# Allegro board TDI_KU5P_QSFP28_CXP_V001-20240805_1841.brd (continued)
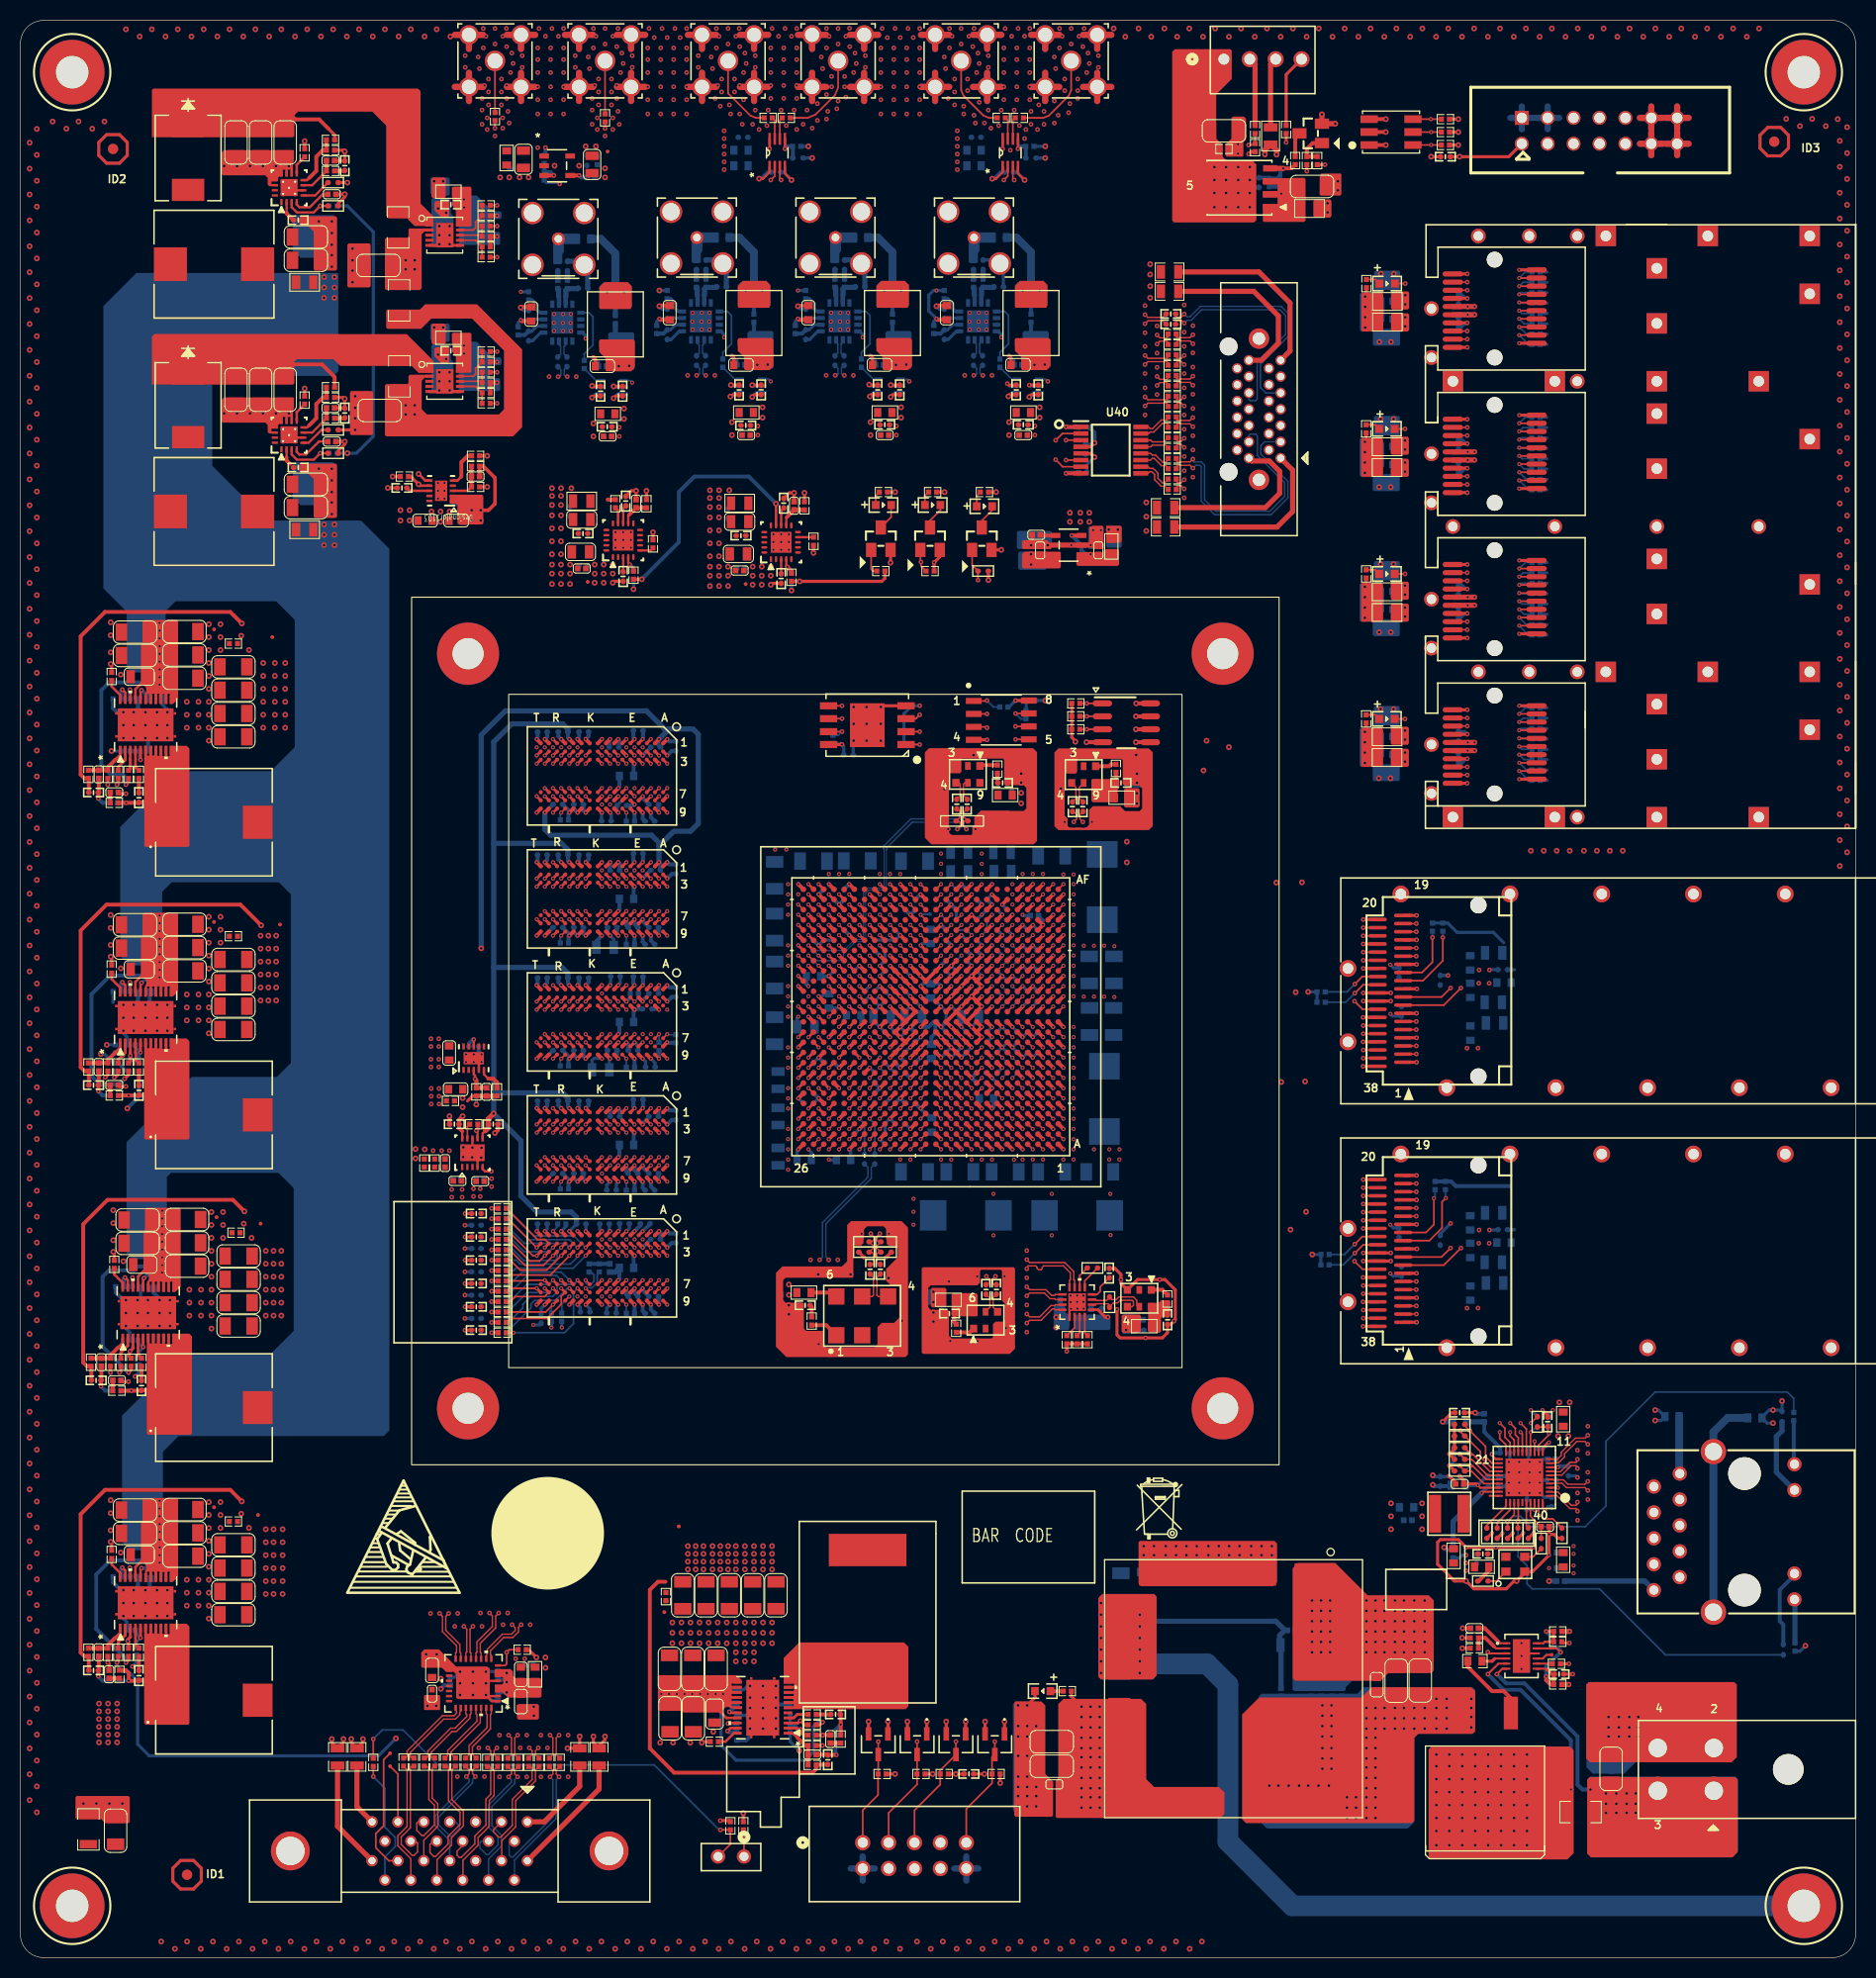
[diagram p0: board, top side]
## Copper pours and planes (outline as drawn; the poured copper is in the pictures) (continued)
(no net) on TOP: 134.53,132.79 136.06,132.79 136.18,132.66 136.18,131.14 136.06,131.01 134.53,131.01 134.41,131.14 134.41,132.66
(no net) on TOP: 105.1,138.28 105.22,138.15 106.11,138.15 106.24,138.28 106.24,140.31 106.11,140.44 104.97,140.44 104.84,140.31 104.84,138.91 104.71,138.79 100.9,138.79 100.65,139.04 98.36,139.04 98.24,138.91 98.24,138.28 98.36,138.15 101.03,138.15 101.16,138.28
(no net) on BOTTOM: 132.76,117.04 135.17,117.04 135.3,116.92 135.3,115.52 135.17,115.39 132.76,115.39 132.63,115.52 132.63,116.92
(no net) on BOTTOM: 97.86,138.15 101.03,138.15 101.16,138.28 101.16,139.8 101.03,139.93 97.86,139.93 97.73,139.8 97.73,138.28
(no net) on BOTTOM: 131.49,149.05 131.87,149.05 132.25,148.67 133.64,148.67 133.77,148.54 133.77,146.25 133.64,146.13 132.76,146.13 131.87,145.24 131.49,145.24 131.36,145.36 131.36,148.92
(no net) on BOTTOM: 132.76,131.27 135.17,131.27 135.3,131.14 135.3,129.74 135.17,129.62 132.76,129.62 132.63,129.74 132.63,131.14
(no net) on BOTTOM: 131.49,134.82 131.87,134.82 132.25,134.44 133.64,134.44 133.77,134.32 133.77,132.03 133.64,131.9 132.76,131.9 131.87,131.01 131.49,131.01 131.36,131.14 131.36,134.7
(no net) on BOTTOM: 132.78,159.74 135.19,159.74 135.32,159.61 135.32,158.22 135.19,158.09 132.78,158.09 132.65,158.22 132.65,159.61
(no net) on BOTTOM: 131.51,163.3 131.89,163.3 132.27,162.92 133.67,162.92 133.8,162.79 133.8,160.5 133.67,160.38 132.78,160.38 131.89,159.49 131.51,159.49 131.38,159.61 131.38,163.17
(no net) on BOTTOM: 97.98,137.9 100.52,137.9 100.65,137.77 100.65,136.25 100.52,136.12 97.98,136.12 97.86,136.25 97.86,137.77
(no net) on BOTTOM: 132.88,134.82 133.39,134.82 133.64,135.08 135.17,135.08 135.3,135.2 135.3,136.86 135.17,136.98 132.88,136.98 132.76,136.86 132.76,134.95
(no net) on BOTTOM: 106.62,140.44 107.89,140.44 108.02,140.31 108.02,138.4 107.89,138.28 106.62,138.28 106.49,138.4 106.49,140.31
(no net) on BOTTOM: 88.53,65.56 90.57,65.56 90.69,65.43 90.69,64.16 90.57,64.03 88.53,64.03 88.41,64.16 88.41,65.43
(no net) on BOTTOM: 110.63,114.76 108.47,114.76 108.35,114.88 108.35,116.66 108.47,116.79 110.63,116.79 110.76,116.66 110.76,114.88
(no net) on BOTTOM: 131.49,120.6 131.87,120.6 132.25,120.22 133.64,120.22 133.77,120.09 133.77,117.81 133.64,117.68 132.76,117.68 131.87,116.79 131.49,116.79 131.36,116.92 131.36,120.47
(no net) on BOTTOM: 132.91,163.3 133.42,163.3 133.67,163.55 135.19,163.55 135.32,163.68 135.32,165.33 135.19,165.46 132.91,165.46 132.78,165.33 132.78,163.42
(no net) on BOTTOM: 132.76,145.49 135.17,145.49 135.3,145.36 135.3,143.97 135.17,143.84 132.76,143.84 132.63,143.97 132.63,145.36
(no net) on BOTTOM: 132.88,120.6 133.39,120.6 133.64,120.85 135.17,120.85 135.3,120.98 135.3,122.63 135.17,122.76 132.88,122.76 132.76,122.63 132.76,120.73
(no net) on BOTTOM: 132.88,149.05 133.39,149.05 133.64,149.3 135.17,149.3 135.3,149.43 135.3,151.08 135.17,151.21 132.88,151.21 132.76,151.08 132.76,149.17
(no net) on BOTTOM: 106.24,138.4 105.98,138.15 104.84,138.15 104.71,138.28 104.71,140.23 104.82,140.33 106.11,140.33 106.24,140.21
CHA_1V25_CXP1 on TOP: 69.4,152.06 69.59,152.25 70.93,152.25 71.05,152.12 71.05,149.88 71.05,149.87 71.05,149.01 70.98,148.95 69.61,148.95 69.4,149.15
CHA_1V25_CXP1 on ART03: 61.57,163.66 63.6,163.66 64.23,163.03 64.23,159.98 64.99,159.22 68.8,159.22 70.2,157.82 70.2,148.93 69.95,148.68 61.95,148.68 61.31,149.31 61.31,163.41
CHA_1V25_CXP2 on TOP: 55.81,151.93 56,152.12 57.34,152.12 57.46,151.99 57.46,149.75 57.46,149.74 57.46,148.88 57.39,148.82 56.02,148.82 55.81,149.03
CHA_1V25_CXP2 on ART03: 48,163.56 50.03,163.56 50.67,162.93 50.67,159.88 51.43,159.12 55.24,159.12 56.64,157.72 56.64,148.83 56.38,148.57 48.38,148.57 47.75,149.21 47.75,163.31
CHA_1V25_CXP3 on TOP: 82.99,152.06 83.18,152.25 84.51,152.25 84.64,152.12 84.64,149.88 84.64,149.87 84.64,149.01 84.57,148.95 83.2,148.95 82.99,149.15
CHA_1V25_CXP3 on ART03: 75.25,163.68 77.28,163.68 77.92,163.04 77.92,159.99 78.68,159.23 82.49,159.23 83.89,157.84 83.89,148.95 83.63,148.69 75.63,148.69 75,149.33 75,163.42
CHA_1V25_CXP4 on TOP: 96.58,152.06 96.77,152.25 98.1,152.25 98.23,152.12 98.23,149.88 98.23,149.87 98.23,149.01 98.16,148.95 96.79,148.95 96.58,149.15
CHA_1V25_CXP4 on ART03: 88.84,163.68 90.87,163.68 91.51,163.04 91.51,159.99 92.27,159.23 96.08,159.23 97.48,157.84 97.48,148.95 97.22,148.69 89.22,148.69 88.59,149.33 88.59,163.42
CHA_12V_FAN on TOP (solid shape): 118.81,187.05 118.81,184.25 117.29,182.73 117.29,178.41 117.92,177.77 117.92,176.63 118.3,176.25 120.84,176.25 121.22,175.87 121.22,170.41 121,170.18 113.15,170.18 112.97,170.36 112.97,186.92 113.22,187.17 118.68,187.17
CHA_12V_FAN on BOTTOM: 116.65,176 120.84,176 120.97,175.87 120.97,171.3 120.84,171.17 116.65,171.17 116.53,171.3 116.53,175.87
CHA_24V_1 on TOP (solid shape): 39.25,183.07 39.25,172.5 39.26,172.49 39.26,172.03 40.5,170.79 40.5,169.9 40.43,169.82 38.67,169.82 37.91,170.59 36.08,170.59 35.88,170.79 35.88,179.68 34.51,181.05 27.22,181.05 26.86,180.7 26.86,178.66 26.74,178.54 12.89,178.54 12.89,183.16 13.05,183.31 39,183.31
CHA_24V_2 on TOP (solid shape): 40.53,156.59 40.53,155.5 40.45,155.42 39.06,155.42 38.37,156.11 31.36,156.11 30.7,156.77 27.09,156.77 26.86,156.54 26.86,154.41 26.74,154.28 12.89,154.28 12.89,158.98 13.15,159.23 37.89,159.23
CHA_CXP_1V25 on TOP (solid shape): 45.41,143.36 45.41,140.69 45.28,140.56 42.99,140.56 42.87,140.69 42.87,142.47 42.74,142.6 42.15,142.6 42.1,142.65 42.1,143.41 42.18,143.48 45.28,143.48
CHA_CXP_1V25 on TOP: 57.93,150.83 57.93,152.18 58.06,152.31 59.46,152.31 59.58,152.18 59.58,150.78 59.46,150.66 58.11,150.66
CHA_CXP_1V25 on TOP: 85.11,150.96 85.11,152.31 85.24,152.43 86.63,152.43 86.76,152.31 86.76,150.91 86.63,150.78 85.29,150.78
CHA_CXP_1V25 on TOP: 71.52,150.96 71.52,152.31 71.65,152.43 73.04,152.43 73.17,152.31 73.17,150.91 73.04,150.78 71.7,150.78
CHA_CXP_1V25 on TOP: 98.7,150.96 98.7,152.31 98.83,152.43 100.22,152.43 100.35,152.31 100.35,150.91 100.22,150.78 98.88,150.78
CHA_CXP_1V25 on BOTTOM: 45.41,140.31 43.25,140.31 43.12,140.44 43.12,142.98 43.25,143.1 43.25,146.79 49.09,152.63 100.14,152.63 100.52,152.25 100.52,147.04 100.14,146.66 51.76,146.66
CHA_CXP_24V_1 on TOP (solid shape): 60.28,158.54 60.28,155.96 59.9,155.58 57.51,155.58 57.38,155.7 57.38,156.85 56.77,157.46 56.77,157.93 56.75,157.95 56.75,158.56 56.91,158.71 60.1,158.71
CHA_CXP_24V_1 on TOP (solid shape): 73.87,158.66 73.87,156.09 73.49,155.7 71.1,155.7 70.97,155.83 70.97,156.98 70.36,157.59 70.36,158.06 70.34,158.07 70.34,158.69 70.49,158.84 73.69,158.84
CHA_CXP_24V_1 on TOP (solid shape): 40.53,169.54 40.53,169.34 40.48,169.29 39.64,169.29 39.36,169.01 39.36,163.73 39.18,163.55 35.88,163.55 35.75,163.68 35.75,168.55 35.88,168.68 37.94,168.68 38.06,168.81 38.06,169.52 38.14,169.6 40.48,169.6
CHA_CXP_24V_1 on BOTTOM (solid shape): 60.21,159.26 60.21,155.8 60.11,155.7 58.46,155.7 58.26,155.91 58.26,156.72 57.65,157.33 57.65,159.23 57.83,159.41 60.06,159.41
CHA_CXP_24V_1 on BOTTOM (solid shape): 73.87,159.38 73.87,155.93 73.76,155.83 72.11,155.83 71.91,156.03 71.91,156.84 71.3,157.45 71.3,159.36 71.48,159.54 73.71,159.54
CHA_CXP_24V_1 on ART10: 36.64,167.61 47.06,167.61 47.44,167.23 47.44,165.46 50.36,162.53 50.36,159.49 51.12,158.72 73.85,158.72 74.36,158.22 74.36,156.06 73.35,155.04 56.07,155.04 56.01,155.11 37.98,155.11 35.63,157.45 35.63,166.6
CHA_CXP_24V_2 on TOP (solid shape): 87.46,158.66 87.46,156.09 87.07,155.7 84.69,155.7 84.56,155.83 84.56,156.98 83.95,157.59 83.95,158.06 83.93,158.07 83.93,158.69 84.08,158.84 87.28,158.84
CHA_CXP_24V_2 on TOP (solid shape): 101.04,158.66 101.04,156.09 100.66,155.7 98.28,155.7 98.15,155.83 98.15,156.98 97.54,157.59 97.54,158.06 97.52,158.07 97.52,158.69 97.67,158.84 100.87,158.84
CHA_CXP_24V_2 on TOP (solid shape): 49.22,157.73 49.22,150.09 48.33,149.2 35.88,149.2 35.75,149.33 35.75,154.2 35.88,154.33 37.94,154.33 38.06,154.46 38.06,155.12 38.19,155.24 40.5,155.24 40.53,155.22 40.53,154.99 40.5,154.97 39.66,154.97 39.36,154.66 39.36,151.87 39.87,151.36 46.93,151.36 47.44,151.87 47.44,157.61 44.29,160.76 40.33,160.76 39.31,159.74 36.01,159.74 35.88,159.87 35.88,161.52 36.01,161.65 39.18,161.65 39.69,162.15 44.8,162.15
CHA_CXP_24V_2 on BOTTOM (solid shape): 87.41,159.38 87.41,155.93 87.31,155.83 85.66,155.83 85.45,156.03 85.45,156.84 84.85,157.45 84.85,159.36 85.02,159.54 87.26,159.54
CHA_CXP_24V_2 on BOTTOM (solid shape): 100.86,159.38 100.86,155.93 100.76,155.83 99.11,155.83 98.91,156.03 98.91,156.84 98.3,157.45 98.3,159.36 98.47,159.54 100.71,159.54
CHA_CXP_24V_2 on ART10: 79.95,159.23 101.29,159.23 102.56,157.96 102.56,151.13 96.18,144.75 37.79,144.75 37.15,145.39 37.15,154.03 37.79,154.66 39.69,154.66 40.45,153.9 40.45,152.76 41.98,151.23 54.42,151.23 55.31,150.34 55.31,148.82 55.69,148.44 73.35,148.44 75.38,150.47 75.38,154.66
CHA_DDR4_2V5 on TOP: 43.37,87.4 44.06,87.4 44.11,87.35 44.11,82.5 43.88,82.27 42.99,82.27 42.31,82.96 42.31,84.25 42.43,84.38 42.92,84.38 43.02,84.48 43.02,86.16 43.3,86.44 43.3,87.33
CHA_DDR4_2V5 on BOTTOM: 43.04,85.8 43.98,85.8 44.11,85.67 44.11,82.27 43.91,82.07 42.94,82.07 42.89,82.12 42.89,85.65
CHA_DDR4_2V5 on ART03: 54.04,84.94 63.69,84.94 64.33,84.3 64.33,71.86 63.31,70.84 53.91,70.84 53.66,71.09 53.66,84.56
CHA_DDR4_2V5 on ART10: 63.95,85.19 64.84,84.3 64.84,76.56 61.53,73.25 56.58,73.25 55.95,72.62 55.95,61.44 55.18,60.68 42.36,60.68 40.58,62.46 40.58,98.02 43.63,101.07 61.41,101.07 63.95,98.53
CHA_DDR4_C1_VTT on TOP: 44.9,61.14 44.9,73.63 44.21,74.32 44.21,77.83 44.24,77.85 44.44,77.85 44.47,77.83 44.47,77.06 44.52,77.01 44.69,77.01 44.97,76.73 44.97,76.02 44.99,76.01 44.99,75.68 45.02,75.64 45.2,75.64 46.4,74.45 46.4,61.09 46.34,61.04 45,61.04
CHA_DDR4_C1_VTT on BOTTOM: 45.13,60.78 44.9,61.01 44.9,73.63 44.14,74.39 44.14,76.51 44.29,76.66 44.9,76.66 44.97,76.58 44.97,75.84 45.79,75.03 45.79,74.45 46.38,73.85 46.38,61.05 46.12,60.78
CHA_MGTAVCC on TOP: 55.39,138.66 57.7,138.66 57.77,138.58 57.77,137.82 57.9,137.69 58.69,137.69 58.77,137.62 58.77,136.8 58.49,136.52 58.49,134.34 58.36,134.21 55.41,134.21 55.26,134.37 55.26,138.53
CHA_MGTAVCC on BOTTOM: 85.79,108.69 86.81,108.69 86.93,108.56 86.93,106.27 86.68,106.02 85.28,106.02 85.16,106.15 85.16,106.4 85.54,106.78 85.54,108.43
CHA_MGTAVCC on BOTTOM: 55.31,138.66 56.96,138.66 57.09,138.53 57.09,137.26 57.22,137.13 58.23,137.13 58.49,136.88 58.49,134.47 58.36,134.34 55.44,134.34 55.31,134.47
CHA_MGTAVCC on BOTTOM: 82.87,108.81 83.76,108.81 84.01,108.56 84.01,106.78 84.39,106.4 84.39,106.15 84.27,106.02 82.87,106.02 82.74,106.15 82.74,108.69
CHA_MGTAVCC on BOTTOM: 72.96,101.83 75.5,101.83 75.76,102.08 75.76,102.84 77.03,104.11 77.03,108.43 76.9,108.56 75.76,108.56 75.63,108.43 75.63,106.15 75,105.51 72.84,105.51 72.71,105.38 72.71,102.08
CHA_MGTAVCC on POWER08: 66.66,134.16 90.6,110.22 94.08,110.22 94.78,109.52 94.78,103.07 95.39,102.46 96.84,102.46 97.09,102.21 97.09,86.97 96.84,86.72 85.92,86.72 85.56,87.07 85.56,101.68 85.54,101.7 85.54,102.39 85.36,102.57 81.83,102.57 81.6,102.79 81.6,103.53 81.4,103.73 79.29,103.73 78.98,103.43 78.98,103.02 78.62,102.65 78.21,102.65 77.92,102.36 77.92,101.9 77.64,101.63 74.35,101.63 71.33,104.65 71.33,112.93 63.55,120.7 55.03,120.7 54.55,121.18 54.55,137.62 54.93,138 65.29,138 66.66,136.63
CHA_MGTAVTT on TOP: 70.88,138.46 73.19,138.46 73.27,138.38 73.27,137.62 73.4,137.49 74.18,137.49 74.26,137.41 74.26,136.6 73.98,136.32 73.98,134.14 73.85,134.01 70.91,134.01 70.75,134.16 70.75,138.33
CHA_MGTAVTT on BOTTOM: 70.81,138.46 72.46,138.46 72.58,138.33 72.58,137.06 72.71,136.93 73.73,136.93 73.98,136.68 73.98,134.26 73.85,134.14 70.93,134.14 70.81,134.26
CHA_MGTAVTT on BOTTOM: 97.22,78.46 100.27,78.46 100.4,78.33 100.4,76.05 100.27,75.92 97.22,75.92 97.09,76.05 97.09,78.33
CHA_MGTAVTT on BOTTOM: 101.73,108.92 101.73,106.12 101.85,105.99 103.05,105.99 103.07,106.01 103.44,106.01 103.57,106.15 103.57,108.94 103.44,109.07 101.88,109.07
CHA_MGTAVTT on BOTTOM: 104.03,92.53 103.9,92.66 103.9,94.56 104.03,94.69 108.09,94.69 108.22,94.56 108.22,92.66 108.09,92.53
CHA_MGTAVTT on POWER08: 71.95,137.26 108.91,137.26 112.97,133.2 112.97,79.6 109.79,76.43 96.84,76.43 95.95,77.32 95.95,85.95 96.21,86.21 97.22,86.21 97.48,86.46 97.48,103.35 97.09,103.73 95.19,103.73 95.06,103.86 95.06,110.97 94.8,111.24 90.6,111.24 70.81,131.04 70.81,136.12
CHA_MGTVCCAUX on TOP (solid shape): 102.05,137.77 102.05,136.37 101.92,136.25 98.36,136.25 98.24,136.37 98.24,137.64 98.49,137.9 101.14,137.9 101.92,137.9
CHA_MGTVCCAUX on BOTTOM (solid shape): 100.65,137.77 100.65,136.25 100.52,136.12 97.98,136.12 97.86,136.25 97.86,137.77 97.98,137.9 100.52,137.9
CHA_MGTVCCAUX on ART05: 107.08,139.29 107.5,138.87 107.5,112.08 108.09,111.48 108.09,91.87 107.91,91.69 95.85,91.69 95.54,92 95.54,104.04 99.15,107.65 99.15,125.3 96.71,127.74 96.71,138.66 97.35,139.29
CHA_QSFP0_VCCI on BOTTOM: 137.97,65.3 137.48,65.79 137.48,67.18 137.23,67.44 131.59,67.44 131.49,67.54 131.49,68.54 131.56,68.62 138.43,68.62 140.07,66.98 144.21,66.98 144.25,66.95 144.25,65.43 144.11,65.3
CHA_QSFP0_VCCRX on BOTTOM: 136.87,70.14 139.73,70.14 139.89,69.98 139.89,69.34 139.91,69.34 140.02,69.24 143.84,69.24 144.09,68.98 144.09,67.48 143.94,67.33 140.12,67.33 138.68,68.77 136.86,68.77 136.69,68.94 136.69,69.96
CHA_QSFP0_VCCTX on BOTTOM: 131.61,68.89 131.49,69 131.49,70.04 132.4,70.94 135.63,70.94 136.06,71.37 137.25,71.37 137.56,71.68 137.56,73.99 137.86,74.29 144.02,74.29 144.15,74.17 144.15,72.42 144.12,72.39 139.94,72.39 137.91,70.36 136.69,70.36 136.41,70.08 136.41,69.11 136.19,68.89
CHA_QSFP1_VCCI on BOTTOM: 137.97,90.8 137.48,91.29 137.48,92.68 137.23,92.94 131.59,92.94 131.49,93.04 131.49,94.04 131.56,94.12 138.43,94.12 140.07,92.48 144.21,92.48 144.25,92.45 144.25,90.93 144.11,90.8
CHA_QSFP1_VCCRX on BOTTOM: 136.87,95.64 139.73,95.64 139.89,95.48 139.89,94.84 139.91,94.84 140.02,94.74 143.84,94.74 144.09,94.48 144.09,92.98 143.94,92.83 140.12,92.83 138.68,94.27 136.86,94.27 136.69,94.44 136.69,95.47
CHA_QSFP1_VCCTX on BOTTOM: 131.61,94.39 131.49,94.51 131.49,95.54 132.4,96.44 135.63,96.44 136.06,96.88 137.25,96.88 137.56,97.18 137.56,99.49 137.86,99.8 144.02,99.8 144.15,99.67 144.15,97.92 144.12,97.89 139.94,97.89 137.91,95.86 136.69,95.86 136.41,95.58 136.41,94.62 136.19,94.39
CHA_SFP0_VCCRX on TOP (solid shape): 136.18,120.6 136.18,119.08 136.06,118.95 134.53,118.95 134.41,119.08 134.41,120.6 134.53,120.73 136.06,120.73
CHA_SFP0_VCCRX on BOTTOM: 136.08,118.95 137.3,120.16 138.98,120.16 140.22,118.92 142.86,118.92 142.97,119.02 142.97,119.58 142.81,119.73 140.73,119.73 139.03,121.43 136.46,121.43 135.07,120.04 134.31,120.04 134.18,119.91 134.18,119.15 134.38,118.95
CHA_SFP0_VCCTX on TOP (solid shape): 136.18,118.44 136.18,116.92 136.06,116.79 134.53,116.79 134.41,116.92 134.41,118.44 134.53,118.57 136.06,118.57
CHA_SFP0_VCCTX on BOTTOM: 136.08,118.51 136.59,118.01 140.02,118.01 140.73,118.72 142.84,118.72 142.97,118.59 142.97,117.98 142.84,117.85 141.52,117.85 141.37,117.7 140.88,117.7 139.84,116.66 136.08,116.66 135.12,117.62 134.31,117.62 134.18,117.75 134.18,118.39 134.31,118.51
CHA_SFP1_VCCRX on TOP (solid shape): 136.18,134.82 136.18,133.3 136.06,133.17 134.53,133.17 134.41,133.3 134.41,134.82 134.53,134.95 136.06,134.95
CHA_SFP1_VCCRX on BOTTOM: 136.08,133.2 137.3,134.41 138.98,134.41 140.22,133.17 142.86,133.17 142.97,133.27 142.97,133.83 142.81,133.98 140.73,133.98 139.03,135.68 136.46,135.68 135.07,134.29 134.31,134.29 134.18,134.16 134.18,133.4 134.38,133.2
CHA_SFP1_VCCTX on TOP (solid shape): 136.18,132.66 136.18,131.14 136.06,131.01 134.53,131.01 134.41,131.14 134.41,132.66 134.53,132.79 136.06,132.79
CHA_SFP1_VCCTX on BOTTOM: 136.08,132.76 136.59,132.26 140.02,132.26 140.73,132.97 142.84,132.97 142.97,132.84 142.97,132.23 142.84,132.1 141.52,132.1 141.37,131.95 140.88,131.95 139.84,130.91 136.08,130.91 135.12,131.87 134.31,131.87 134.18,132 134.18,132.64 134.31,132.76
CHA_SFP2_VCCRX on TOP (solid shape): 136.18,149.05 136.18,147.52 136.06,147.4 134.53,147.4 134.41,147.52 134.41,149.05 134.53,149.17 136.06,149.17
CHA_SFP2_VCCRX on BOTTOM: 136.08,147.44 137.3,148.66 138.98,148.66 140.22,147.42 142.86,147.42 142.97,147.52 142.97,148.08 142.81,148.23 140.73,148.23 139.03,149.93 136.46,149.93 135.07,148.54 134.31,148.54 134.18,148.41 134.18,147.65 134.38,147.44
CHA_SFP2_VCCTX on TOP (solid shape): 136.18,146.89 136.18,145.36 136.06,145.24 134.53,145.24 134.41,145.36 134.41,146.89 134.53,147.02 136.06,147.02
CHA_SFP2_VCCTX on BOTTOM: 136.08,147.01 136.59,146.5 140.02,146.5 140.73,147.22 142.84,147.22 142.97,147.09 142.97,146.48 142.84,146.35 141.52,146.35 141.37,146.2 140.88,146.2 139.84,145.16 136.08,145.16 135.12,146.12 134.31,146.12 134.18,146.25 134.18,146.89 134.31,147.01
CHA_SFP3_VCCRX on TOP (solid shape): 136.21,163.3 136.21,161.77 136.08,161.65 134.56,161.65 134.43,161.77 134.43,163.3 134.56,163.42 136.08,163.42
CHA_SFP3_VCCRX on BOTTOM: 136.08,161.7 137.3,162.92 138.98,162.92 140.22,161.67 142.86,161.67 142.97,161.77 142.97,162.33 142.81,162.48 140.73,162.48 139.03,164.19 136.46,164.19 135.07,162.79 134.31,162.79 134.18,162.66 134.18,161.9 134.38,161.7
CHA_SFP3_VCCTX on TOP (solid shape): 136.21,161.14 136.21,159.61 136.08,159.49 134.56,159.49 134.43,159.61 134.43,161.14 134.56,161.26 136.08,161.26
CHA_SFP3_VCCTX on BOTTOM: 136.08,161.26 136.59,160.76 140.02,160.76 140.73,161.47 142.84,161.47 142.97,161.34 142.97,160.73 142.84,160.6 141.52,160.6 141.37,160.45 140.88,160.45 139.84,159.41 136.08,159.41 135.12,160.38 134.31,160.38 134.18,160.5 134.18,161.14 134.31,161.26
CHA_VCCAUX on BOTTOM: 96.66,105.89 96.66,108.92 96.79,109.04 98.57,109.04 98.69,108.92 98.69,105.92 98.97,105.64 98.97,103.02 98.82,102.87 97.4,102.87 96.21,104.06 96.21,105.44
CHA_VCCAUX on ART12: 98.87,101.7 98.75,101.57 97.22,101.57 97.09,101.45 97.09,89.89 96.71,89.51 85.79,89.51 85.09,90.21 85.09,90.72 85.03,90.78 83,90.78 82.74,91.03 82.74,96.55 83.02,96.82 88.53,96.82 88.86,97.15 88.86,108.48 90.59,110.21 98.36,110.21 98.87,109.7
CHA_VCCINT on TOP: 86.79,42.97 86.93,42.82 86.93,36.19 86.68,35.94 63.72,35.94 63.69,35.92 63.69,35.66 63.57,35.53 62.68,35.53 62.55,35.66 62.55,42.27 63.25,42.97
CHA_VCCINT on BOTTOM: 109.16,76.17 109.03,76.05 106.75,76.05 106.62,76.17 106.62,77.95 105.73,78.84 104.08,78.84 103.83,79.1 103.83,82.52 103.95,82.65 109.03,82.65 109.16,82.52
CHA_VCCINT on BOTTOM: 88.33,78.46 91.38,78.46 91.51,78.33 91.51,76.05 91.38,75.92 88.33,75.92 88.2,76.05 88.2,78.33
CHA_VCCINT on BOTTOM: 72.96,95.48 75.5,95.48 75.58,95.4 75.58,91.74 75.36,91.53 72.98,91.53 72.71,91.8 72.71,95.22
CHA_VCCINT on BOTTOM: 101.51,75.16 101.64,75.03 101.64,70.59 101.51,70.46 94.53,70.46 94.27,70.71 94.27,75.03 94.4,75.16
CHA_VCCINT on BOTTOM: 108.78,98.02 108.52,97.76 103.9,97.76 103.7,97.97 103.7,102.97 103.83,103.1 108.52,103.1 108.78,102.84
CHA_VCCINT on ART05: 84.88,97.79 94.5,97.79 94.78,97.51 94.78,87.93 94.58,87.73 85.08,87.73 84.67,88.14 84.67,97.59
CHA_VCCINT on POWER07: 110.94,44.12 121.05,44.12 124.07,47.14 124.07,110.85 123,111.91 85.66,111.91 85.64,111.89 85.54,111.99 66.11,111.99 64.46,110.34 64.46,62.08 60.77,58.39 55.82,58.39 54.68,57.25 54.68,34.77 56.07,33.38 100.19,33.38
DDR4_1V2 on TOP: 43.96,77.83 43.96,74.29 43.88,74.22 43.04,74.22 42.99,74.27 42.99,76.38 43.09,76.48 43.4,76.48 43.73,76.81 43.73,77.83 43.75,77.85 43.93,77.85
DDR4_1V2 on TOP: 26.74,80.49 21.15,80.49 20.89,80.75 20.89,87.58 21.8,88.48 21.8,98.65 21.02,99.43 21.02,101.96 21.53,102.46 26.74,102.46 27.24,101.96 27.24,81
DDR4_1V2 on TOP: 39.89,78.08 39.94,78.13 39.94,79.65 39.89,79.71 38.47,79.71 38.39,79.63 38.39,78.21 38.52,78.08
DDR4_1V2 on BOTTOM: 75.45,85.67 73.47,85.67 73.35,85.55 73.35,83.01 73.47,82.88 75.45,82.88 75.58,83.01 75.58,85.55
DDR4_1V2 on BOTTOM: 42.94,76.53 42.99,76.58 43.73,76.58 43.8,76.5 43.8,74.4 43.73,74.32 42.99,74.32 42.94,74.37
DDR4_1V2 on POWER07: 60.21,59.54 63.62,62.94 63.62,80.87 63.65,80.91 63.65,118.05 63.69,118.08 63.69,119.74 63.19,120.24 25.21,120.24 22.93,117.96 22.93,60.93 24.32,59.54
DDR4_1V2 on POWER08: 64,119.27 70.82,112.45 70.82,104.55 74.35,101.02 77.38,101.02 77.56,101.19 77.56,101.21 79.89,103.53 80.74,103.53 80.99,103.28 80.99,102.08 81.14,101.93 84.62,101.93 85,101.55 85,86.77 84.95,86.77 84.8,86.61 79.06,86.61 78.93,86.49 78.93,86.08 78.55,85.7 78.55,84.18 78.3,83.92 76.01,83.92 75.89,83.79 75.89,83.24 75.5,82.85 72.05,82.85 71.81,82.61 71.81,62.37 70.75,61.32 50.74,61.32 50.1,61.95 50.1,119.86 50.38,120.14 63.13,120.14 64,119.28
INPUT_GND on TOP (solid shape): 168.34,26.77 168.34,19.66 167.83,19.15 155.14,19.15 155.13,19.15 153.95,19.15 153.57,19.53 153.57,26.77 153.83,27.03 168.09,27.03
INPUT_GND on TOP (solid shape): 132.15,35.53 138.12,35.53 138.62,35.03 138.62,28.17 138.37,27.91 134.18,27.91 133.42,27.15 125.03,27.15 124.78,27.41 124.78,38.2 125.29,38.71 128.97,38.71
INPUT_GND on BOTTOM (solid shape): 168.34,26.77 168.34,19.66 167.83,19.15 158.41,19.15 157.29,18.03 154.22,18.03 153.59,18.66 153.59,19.51 153.57,19.53 153.57,26.77 153.83,27.03 168.09,27.03
INPUT_GND on BOTTOM (solid shape): 138.62,35.03 138.62,28.17 138.37,27.91 131.38,27.91 129.99,26.52 129.99,26.26 129.86,26.14 124.91,26.14 124.78,26.26 124.78,35.28 125.03,35.53 138.12,35.53
INPUT_GND on GND09, ART10, GND11, ART12, GND13: 151.7,19.15 144.86,25.99 125.31,25.99 124.78,26.52 124.78,38.07 125.03,38.33 135.45,38.33 140.53,33.25 152.85,33.25 159.07,27.03 169.23,27.03 169.61,26.64 169.61,19.79 168.98,19.15
N23165016 on TOP: 43.07,77.77 43.14,77.85 43.4,77.85 43.45,77.8 43.45,76.91 43.3,76.76 39.39,76.76 39.21,76.94 39.21,77.65 39.33,77.77
N23240813 on BOTTOM (solid shape): 66.86,167.35 66.74,167.23 66.74,166.32 66.63,166.21 65.92,166.21 65.85,166.28 65.85,169.15 66.86,169.15
N23240813 on BOTTOM (solid shape): 68.48,169.13 68.48,168.24 68.42,168.19 65.89,168.19 65.89,169.2 68.4,169.2
N24127214 on TOP (solid shape): 87.1,30.48 87.1,24.65 86.82,24.37 74.86,24.37 74.86,24.62 74.89,24.65 75.78,24.65 75.83,24.7 75.83,24.82 75.78,24.87 74.88,24.87 74.86,24.89 74.86,25.15 75.76,25.15 75.81,25.2 75.81,25.32 75.76,25.37 74.86,25.37 74.86,25.63 74.89,25.66 75.8,25.66 75.85,25.71 75.85,25.82 75.8,25.87 74.86,25.87 74.86,26.13 74.89,26.16 75.83,26.16 75.88,26.21 75.88,26.32 75.83,26.38 74.89,26.38 74.86,26.4 74.86,26.63 74.88,26.65 75.83,26.65 75.88,26.7 75.88,26.83 75.83,26.88 74.86,26.88 74.86,29.38 76.39,30.91 86.66,30.91
N24533060 on TOP (solid shape): 73.57,164.05 73.57,162.04 73.36,161.84 70.47,161.84 70.35,161.95 70.35,163.96 70.85,164.45 73.16,164.45
N24533060 on BOTTOM (solid shape): 73.47,164.08 73.47,162.44 73.18,162.15 70.68,162.15 70.42,162.42 70.42,164.09 70.67,164.34 73.21,164.34
N24534213 on TOP: 96.15,113.33 93.84,113.33 93.69,113.49 93.69,115.52 93.79,115.62 96.03,115.62 96.1,115.54 96.1,114.66 96.26,114.5 96.26,113.44
N24660823 on TOP: 77.28,66.14 80.71,66.14 80.84,66.01 80.84,63.86 80.58,63.6 77.28,63.6 77.16,63.73 77.16,66.01
N25442672 on TOP (solid shape): 59.98,163.92 59.98,161.91 59.78,161.71 56.88,161.71 56.77,161.83 56.77,163.83 57.26,164.33 59.57,164.33
N25442672 on BOTTOM (solid shape): 59.88,163.95 59.88,162.31 59.6,162.03 57.1,162.03 56.83,162.29 56.83,163.96 57.08,164.21 59.62,164.21
N25442826 on BOTTOM (solid shape): 53.27,167.22 53.15,167.1 53.15,166.19 53.04,166.08 52.33,166.08 52.26,166.16 52.26,169.02 53.27,169.02
N25442826 on BOTTOM (solid shape): 54.89,169 54.89,168.11 54.84,168.06 52.3,168.06 52.3,169.08 54.81,169.08
N25446827 on TOP (solid shape): 87.16,164.05 87.16,162.04 86.95,161.84 84.06,161.84 83.94,161.95 83.94,163.96 84.44,164.45 86.75,164.45
N25446827 on BOTTOM (solid shape): 87.05,164.08 87.05,162.44 86.77,162.15 84.27,162.15 84.01,162.42 84.01,164.09 84.26,164.34 86.8,164.34
N25446981 on BOTTOM (solid shape): 80.45,167.35 80.33,167.23 80.33,166.32 80.22,166.21 79.51,166.21 79.43,166.28 79.43,169.15 80.45,169.15
N25446981 on BOTTOM (solid shape): 82.06,169.13 82.06,168.24 82.01,168.19 79.48,168.19 79.48,169.2 81.99,169.2
N25447139 on TOP (solid shape): 100.75,164.05 100.75,162.04 100.54,161.84 97.65,161.84 97.53,161.95 97.53,163.96 98.03,164.45 100.34,164.45
N25447139 on BOTTOM (solid shape): 100.64,164.08 100.64,162.44 100.36,162.15 97.86,162.15 97.6,162.42 97.6,164.09 97.84,164.34 100.38,164.34
N25447293 on BOTTOM (solid shape): 94.04,167.35 93.92,167.23 93.92,166.32 93.81,166.21 93.1,166.21 93.02,166.28 93.02,169.15 94.04,169.15
N25447293 on BOTTOM (solid shape): 95.65,169.13 95.65,168.24 95.6,168.19 93.06,168.19 93.06,169.2 95.58,169.2
N25767219 on TOP (solid shape): 152.36,20.32 152.36,10.26 151.72,9.63 138.24,9.63 138.12,9.75 138.12,20.42 138.4,20.7 151.97,20.7
N25767219 on BOTTOM: 138.85,20.29 147.89,20.29 148.2,19.99 148.2,10.79 148.02,10.62 138.78,10.62 138.55,10.85 138.55,19.99
N26805761 on TOP: 1.18,11.58 10.33,11.58 10.61,11.3 10.61,1.65 9.9,0.94 2.07,0.94 0.78,2.24 0.78,11.18
